# KiCad board Naked60.kicad_pcb
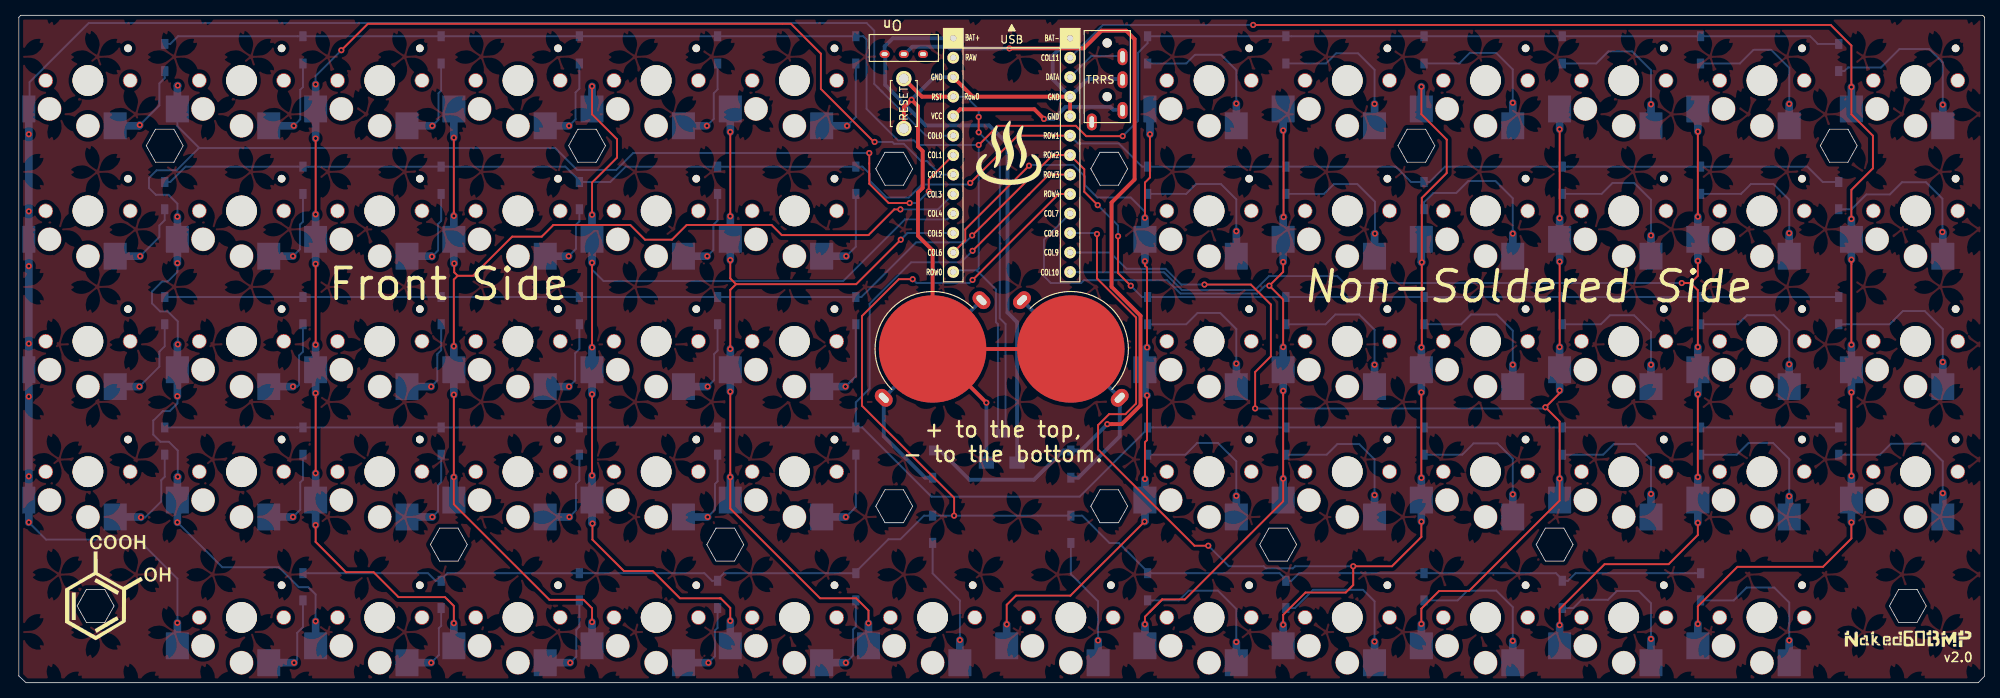
[diagram p0: board, top side]
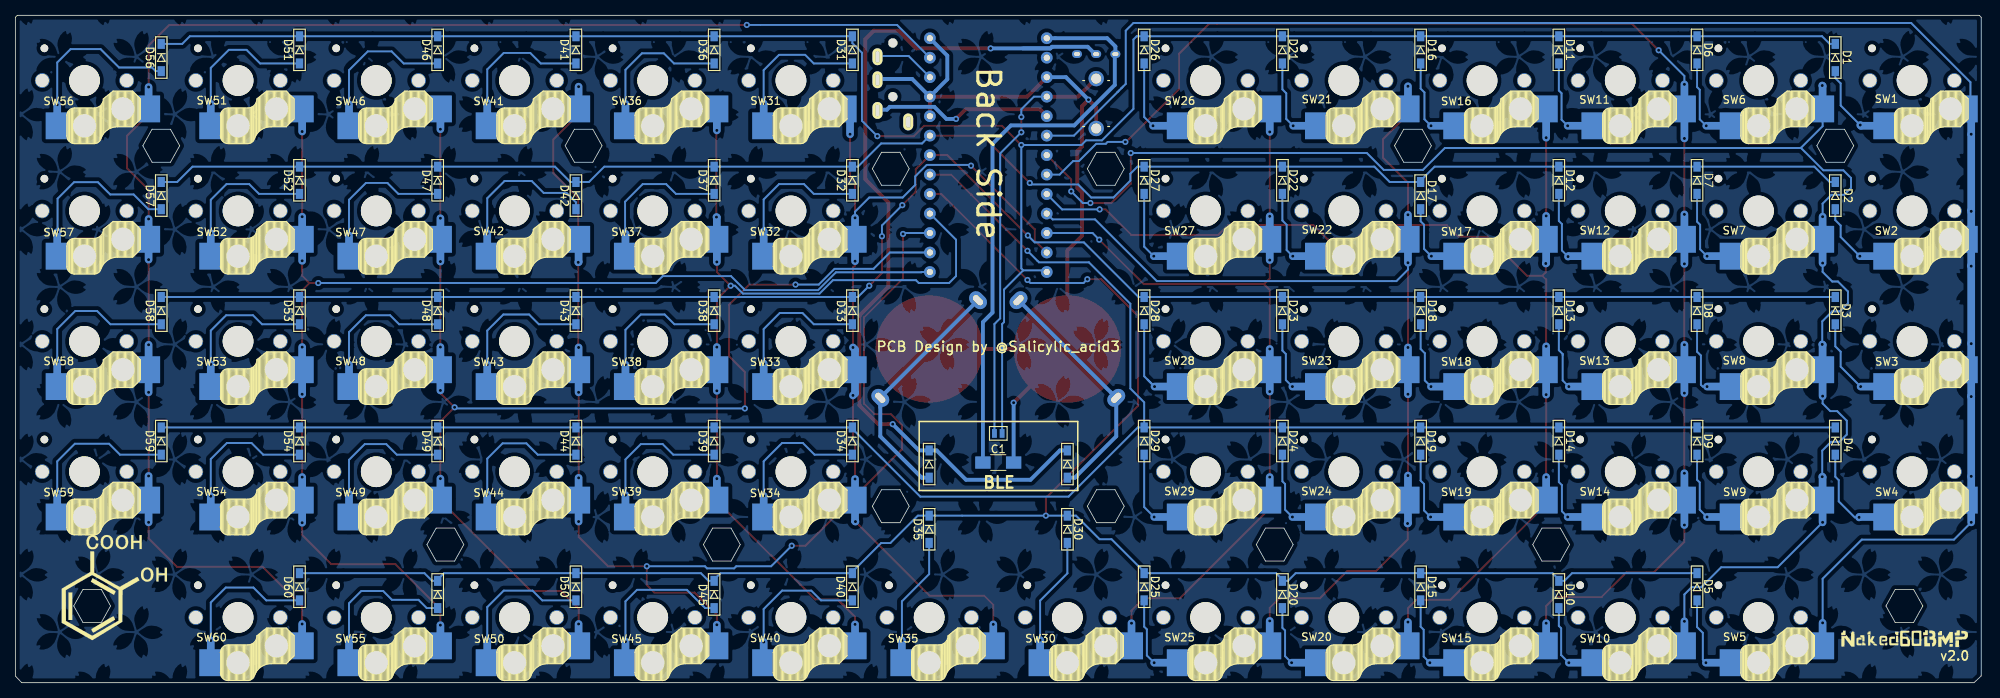
[diagram p1: board, bottom side, seen from below]

Outline 256 x 87 mm; copper layers: Top, Bottom. Coordinates in mm from the lower left corner of the outline.
Outline path: 0,86.75 0,0.88 0.93,0 255.18,0 256,0.88 256,86.75 255.75,87 0.25,87 0,86.75

## Placement (name value [footprint] x y rotation side)
BT1  Battery_Cell  [ali_CR1632]  119 43.5 225 top
BT2  Battery_Cell  [ali_CR1632]  137 43.5 135 top
C1  C_Small  [C_1206_HandSoldering_Back]  128 28.5 0 top
D1  D  [D3_SMD_L1]  19 81.5 270 top
D2  D  [D3_SMD_L1]  19 63.5 270 top
D3  D  [D3_SMD_L1]  19 48.5 270 top
D4  D  [D3_SMD_L1]  19 31.5 270 top
D5  D  [D3_SMD_L1]  37 12.5 270 top
D6  D  [D3_SMD_L1]  37 82.5 270 top
D7  D  [D3_SMD_L1]  37 65.5 270 top
D8  D  [D3_SMD_L1]  37 48.5 270 top
D9  D  [D3_SMD_L1]  37 31.5 270 top
D10  D  [D3_SMD_L1]  55 11.5 270 top
D11  D  [D3_SMD_L1]  55 82.5 270 top
D12  D  [D3_SMD_L1]  55 65.5 270 top
D13  D  [D3_SMD_L1]  55 48.5 270 top
D14  D  [D3_SMD_L1]  55 31.5 270 top
D15  D  [D3_SMD_L1]  73 12.5 270 top
D16  D  [D3_SMD_L1]  73 82.5 270 top
D17  D  [D3_SMD_L1]  73 63.5 270 top
D18  D  [D3_SMD_L1]  73 48.5 270 top
D19  D  [D3_SMD_L1]  73 31.5 270 top
D20  D  [D3_SMD_L1]  91 11.5 270 top
D21  D  [D3_SMD_L1]  91 82.5 270 top
D22  D  [D3_SMD_L1]  91 65.5 270 top
D23  D  [D3_SMD_L1]  91 48.5 270 top
D24  D  [D3_SMD_L1]  91 31.5 270 top
D25  D  [D3_SMD_L1]  109 12.5 270 top
D26  D  [D3_SMD_L1]  109 82.5 270 top
D27  D  [D3_SMD_L1]  109 65.5 270 top
D28  D  [D3_SMD_L1]  109 48.5 270 top
D29  D  [D3_SMD_L1]  109 31.5 270 top
D30  D  [D3_SMD_L1]  119 20 270 top
D31  D  [D3_SMD_L1]  147 82.5 270 top
D32  D  [D3_SMD_L1]  147 65.5 270 top
D33  D  [D3_SMD_L1]  147 48.5 270 top
D34  D  [D3_SMD_L1]  147 31.5 270 top
D35  D  [D3_SMD_L1]  137 20 270 top
D36  D  [D3_SMD_L1]  165 82.5 270 top
D37  D  [D3_SMD_L1]  165 65.5 270 top
D38  D  [D3_SMD_L1]  165 48.5 270 top
D39  D  [D3_SMD_L1]  165 31.5 270 top
D40  D  [D3_SMD_L1]  147 12.5 270 top
D41  D  [D3_SMD_L1]  183 82.5 270 top
D42  D  [D3_SMD_L1]  183 63.5 270 top
D43  D  [D3_SMD_L1]  183 48.5 270 top
D44  D  [D3_SMD_L1]  183 31.5 270 top
D45  D  [D3_SMD_L1]  165 11.5 270 top
D46  D  [D3_SMD_L1]  201 82.5 270 top
D47  D  [D3_SMD_L1]  201 65.5 270 top
D48  D  [D3_SMD_L1]  201 48.5 270 top
D49  D  [D3_SMD_L1]  201 31.5 270 top
D50  D  [D3_SMD_L1]  183 12.5 270 top
D51  D  [D3_SMD_L1]  219 82.5 270 top
D52  D  [D3_SMD_L1]  219 65.5 270 top
D53  D  [D3_SMD_L1]  219 48.5 270 top
D54  D  [D3_SMD_L1]  219 31.5 270 top
D55  D  [D3_SMD_L1]  201 11.5 270 top
D56  D  [D3_SMD_L1]  237 81.5 270 top
D57  D  [D3_SMD_L1]  237 63.5 270 top
D58  D  [D3_SMD_L1]  237 48.5 270 top
D59  D  [D3_SMD_L1]  237 31.5 270 top
D60  D  [D3_SMD_L1]  219 12.5 270 top
D61  D  [D3_SMD_L1]  119 28.5 270 top
D62  D  [D3_SMD_L1]  137 28.5 270 top
G***  LOGO  [60BMPs]  246 5.8 0 top
G***#2  LOGO  [salicylic-acid2s]  13.75 13.25 0 top
G***#3  LOGO  [onsen_smallS]  128.9 69.1 0 top
G***#4  LOGO  [salicylic-acid2s]  242.25 13.25 180 bottom
G***#5  LOGO  [60BMPs]  10 5.8 180 bottom
J1  MJ-4PP-9  [MJ-4PP-9_kai]  141.73 78.9 180 bottom
J2  Conn_01x01  [HOLE_m2_hex]  19 70 0 top
J3  Conn_01x01  [HOLE_m2_hex]  56 18 0 top
J4  Conn_01x01  [HOLE_m2_hex]  10 10 0 top
J5  Conn_01x01  [HOLE_m2_hex]  164 18 0 top
J6  Conn_01x01  [HOLE_m2_hex]  74 70 0 top
J7  Conn_01x01  [HOLE_m2_hex]  92 18 0 top
J8  Conn_01x01  [HOLE_m2_hex]  200 18 0 top
J9  Conn_01x01  [HOLE_m2_hex]  182 70 0 top
J10  Conn_01x01  [HOLE_m2_hex]  114 67 0 top
J11  Conn_01x01  [HOLE_m2_hex]  246 10 0 top
J12  Conn_01x01  [HOLE_m2_hex]  142 67 0 top
J13  Conn_01x01  [HOLE_m2_hex]  114 23 0 top
J14  Conn_01x01  [HOLE_m2_hex]  237 70 0 top
J15  Conn_01x01  [HOLE_m2_hex]  142 23 0 top
JP1  Jumper_NO_Small  [Jumper]  128 32.5 180 bottom
SW1  SW_PUSH  [Choc_Hotswap_1L_r2_jasjo]  9 78.5 0 top
SW2  SW_PUSH  [Choc_Hotswap_1L_r2_jasjo]  9 61.5 0 top
SW3  SW_PUSH  [Choc_Hotswap_1L_r2_jasjo]  9 44.5 0 top
SW4  SW_PUSH  [Choc_Hotswap_1L_r2_jasjo]  9 27.5 0 top
SW5  SW_PUSH  [Choc_Hotswap_1L_r2]  29 8.5 0 top
SW6  SW_PUSH  [Choc_Hotswap_1L_r2]  29 78.5 0 top
SW7  SW_PUSH  [Choc_Hotswap_1L_r2]  29 61.5 0 top
SW8  SW_PUSH  [Choc_Hotswap_1L_r2]  29 44.5 0 top
SW9  SW_PUSH  [Choc_Hotswap_1L_r2]  29 27.5 0 top
SW10  SW_PUSH  [Choc_Hotswap_1L_r2]  47 8.5 0 top
SW11  SW_PUSH  [Choc_Hotswap_1L_r2]  47 78.5 0 top
SW12  SW_PUSH  [Choc_Hotswap_1L_r2]  47 61.5 0 top
SW13  SW_PUSH  [Choc_Hotswap_1L_r2]  47 44.5 0 top
SW14  SW_PUSH  [Choc_Hotswap_1L_r2]  47 27.5 0 top
SW15  SW_PUSH  [Choc_Hotswap_1L_r2]  65 8.5 0 top
SW16  SW_PUSH  [Choc_Hotswap_1L_r2]  65 78.5 0 top
SW17  SW_PUSH  [Choc_Hotswap_1L_r2]  65 61.5 0 top
SW18  SW_PUSH  [Choc_Hotswap_1L_r2]  65 44.5 0 top
SW19  SW_PUSH  [Choc_Hotswap_1L_r2]  65 27.5 0 top
SW20  SW_PUSH  [Choc_Hotswap_1L_r2]  83 8.5 0 top
SW21  SW_PUSH  [Choc_Hotswap_1L_r2]  83 78.5 0 top
SW22  SW_PUSH  [Choc_Hotswap_1L_r2]  83 61.5 0 top
SW23  SW_PUSH  [Choc_Hotswap_1L_r2]  83 44.5 0 top
SW24  SW_PUSH  [Choc_Hotswap_1L_r2]  83 27.5 0 top
SW25  SW_PUSH  [Choc_Hotswap_1L_r2]  101 8.5 0 top
SW26  SW_PUSH  [Choc_Hotswap_1L_r2]  101 78.5 0 top
SW27  SW_PUSH  [Choc_Hotswap_1L_r2]  101 61.5 0 top
SW28  SW_PUSH  [Choc_Hotswap_1L_r2]  101 44.5 0 top
SW29  SW_PUSH  [Choc_Hotswap_1L_r2]  101 27.5 0 top
SW30  SW_PUSH  [Choc_Hotswap_1L_r2]  119 8.5 0 top
SW31  SW_PUSH  [Choc_Hotswap_1L_r2_jasjo]  155 78.5 0 top
SW32  SW_PUSH  [Choc_Hotswap_1L_r2]  155 61.5 0 top
SW33  SW_PUSH  [Choc_Hotswap_1L_r2]  155 44.5 0 top
SW34  SW_PUSH  [Choc_Hotswap_1L_r2]  155 27.5 0 top
SW35  SW_PUSH  [Choc_Hotswap_1L_r2]  137 8.5 0 top
SW36  SW_PUSH  [Choc_Hotswap_1L_r2]  173 78.5 0 top
SW37  SW_PUSH  [Choc_Hotswap_1L_r2]  173 61.5 0 top
SW38  SW_PUSH  [Choc_Hotswap_1L_r2]  173 44.5 0 top
SW39  SW_PUSH  [Choc_Hotswap_1L_r2]  173 27.5 0 top
SW40  SW_PUSH  [Choc_Hotswap_1L_r2]  155 8.5 0 top
SW41  SW_PUSH  [Choc_Hotswap_1L_r2]  191 78.5 0 top
SW42  SW_PUSH  [Choc_Hotswap_1L_r2]  191 61.5 0 top
SW43  SW_PUSH  [Choc_Hotswap_1L_r2]  191 44.5 0 top
SW44  SW_PUSH  [Choc_Hotswap_1L_r2]  191 27.5 0 top
SW45  SW_PUSH  [Choc_Hotswap_1L_r2]  173 8.5 0 top
SW46  SW_PUSH  [Choc_Hotswap_1L_r2]  209 78.5 0 top
SW47  SW_PUSH  [Choc_Hotswap_1L_r2]  209 61.5 0 top
SW48  SW_PUSH  [Choc_Hotswap_1L_r2]  209 44.5 0 top
SW49  SW_PUSH  [Choc_Hotswap_1L_r2]  209 27.5 0 top
SW50  SW_PUSH  [Choc_Hotswap_1L_r2]  191 8.5 0 top
SW51  SW_PUSH  [Choc_Hotswap_1L_r2]  227 78.5 0 top
SW52  SW_PUSH  [Choc_Hotswap_1L_r2]  227 61.5 0 top
SW53  SW_PUSH  [Choc_Hotswap_1L_r2]  227 44.5 0 top
SW54  SW_PUSH  [Choc_Hotswap_1L_r2]  227 27.5 0 top
SW55  SW_PUSH  [Choc_Hotswap_1L_r2]  209 8.5 0 top
SW56  SW_PUSH  [Choc_Hotswap_1L_r2]  247 78.5 0 top
SW57  SW_PUSH  [Choc_Hotswap_1L_r2]  247 61.5 0 top
SW58  SW_PUSH  [Choc_Hotswap_1L_r2]  247 44.5 0 top
SW59  SW_PUSH  [Choc_Hotswap_1L_r2]  247 27.5 0 top
SW60  SW_PUSH  [Choc_Hotswap_1L_r2]  227 8.5 0 top
SW61  SW_PUSH  [ResetSW_FL]  115.25 75.5 90 top
SW62  SW_Push_SPDT  [MSK-12D19]  115.25 83 0 top
U1  BLEMicroPro  [BLE_Micro_Pro_L1]  129.25 67 0 top

## Library data of the parts
SW62 = -: Field4: MSK-12D19
U1 = -: Field4: a; Field5: a

## Footprints (pads in the part's own frame, mm; a bottom-side part is the same pattern mirrored in y, then rotated)
ali_CR1632
  oval 1.8x2.55 hole 0.8x1.55: 1(-9,0) 1(9,0)
  round 14 smd: 2(0,0)
BLE_Micro_Pro_L1
  round 1.524 hole 0.813: 1(7.656,14.478) 2(7.656,11.938) 3(7.656,9.398) 4(7.656,6.858) 5(7.656,4.318) 6(7.656,1.778) 7(7.656,-0.762) 8(7.656,-3.302) 9(7.656,-5.842) 10(7.656,-8.382) 11(7.656,-10.922) 12(7.656,-13.462) 13(-7.564,-13.462) 14(-7.564,-10.922) 15(-7.564,-8.382) 16(-7.564,-5.842) 17(-7.564,-3.302) 18(-7.564,-0.762) 19(-7.564,1.778) 20(-7.564,4.318) 21(-7.564,6.858) 22(-7.564,9.398) 23(-7.564,11.938) 24(-7.564,14.478) 25(-7.564,17.018) 26(7.656,17.018)
C_1206_HandSoldering_Back
  rect 2x1.6 smd far side: 1(2,0.193) 2(-2,0.193)
Choc_Hotswap_1L_r2
  round 1.9 hole 1.7 unplated: (-5.5,0) (5.5,0)
  round 3.1 hole 3 unplated: (-5,-3.7) (0,-5.9)
  round 4 hole 4 unplated: (0,0)
  round 1 hole 1 unplated: (5.22,4.2)
  rect 3x3.5 smd far side: 1(-8.35,-3.7) 2(3.55,-5.9)
Choc_Hotswap_1L_r2_jasjo
  round 1.9 hole 1.7 unplated: (-5.5,0) (5.5,0)
  round 3.1 hole 3 unplated: (-5,-3.7) (0,-5.9)
  round 4 hole 4 unplated: (0,0)
  round 1 hole 1 unplated: (5.22,4.2)
  rect 1.7x3.5 smd far side: 1(-7.7,-3.7)
  rect 3x3.5 smd far side: 2(3.55,-5.9)
D3_SMD_L1
  rect 1.3x0.95 smd far side: 1(-1.775,0) 2(1.775,0)
Jumper
  rect 0.635x1.143 smd: 1(-0.5,0) 2(0.5,0)
MJ-4PP-9_kai
  round 1.21 hole 1.2 unplated: (0,-2.5) (0,4.5)
  oval 1.3x2.2 hole 0.6x1.5: A(2,-5.8) B(-2,2.7) C(-2,-0.3) D(-2,-4.3)
MSK-12D19
  oval 1.3x1 hole 0.8x0.5: 1(-2.5,-1.05) 2(0,-1.05) 3(2.5,-1.05)
ResetSW_FL
  round 2 hole 1.3: 1(3.25,0) 2(-3.25,0)

## Nets
GND: BT1.2 BT2.2 C1.2 J1.C SW61.2 U1.3 U1.4 U1.23 U1.26
VCC: J1.D U1.21
Bat+: C1.1 SW62.1 U1.25
Col0: SW1.1 SW2.1 SW3.1 SW4.1 SW5.1 U1.20
Col1: SW6.1 SW7.1 SW8.1 SW9.1 SW10.1 U1.19
Col2: SW11.1 SW12.1 SW13.1 SW14.1 SW15.1 U1.18
Col3: SW16.1 SW17.1 SW18.1 SW19.1 SW20.1 U1.17
Col4: SW21.1 SW22.1 SW23.1 SW24.1 SW25.1 U1.16
Col5: SW26.1 SW27.1 SW28.1 SW29.1 SW30.1 U1.15
Col6: SW31.1 SW32.1 SW33.1 SW34.1 SW35.1 U1.14
Col7: SW36.1 SW37.1 SW38.1 SW39.1 SW40.1 U1.9
Col8: SW41.1 SW42.1 SW43.1 SW44.1 SW45.1 U1.10
Col9: SW46.1 SW47.1 SW48.1 SW49.1 SW50.1 U1.11
Col10: SW51.1 SW52.1 SW53.1 SW54.1 SW55.1 U1.12
Col11: SW56.1 SW57.1 SW58.1 SW59.1 SW60.1 U1.1
Data: J1.B U1.2
Reset: JP1.1 SW61.1 U1.22
Row0: D1.1 D6.1 D11.1 D16.1 D21.1 D26.1 D31.1 D36.1 D41.1 D46.1 D51.1 D56.1 JP1.2 U1.13
Row1: D2.1 D7.1 D12.1 D17.1 D22.1 D27.1 D32.1 D37.1 D42.1 D47.1 D52.1 D57.1 U1.5
Row2: D3.1 D8.1 D13.1 D18.1 D23.1 D28.1 D33.1 D38.1 D43.1 D48.1 D53.1 D58.1 U1.6
Row3: D4.1 D9.1 D14.1 D19.1 D24.1 D29.1 D34.1 D39.1 D44.1 D49.1 D54.1 D59.1 U1.7
Row4: D5.1 D10.1 D15.1 D20.1 D25.1 D30.1 D35.1 D40.1 D45.1 D50.1 D55.1 D60.1 U1.8
Net-(BT1-Pad1): BT1.1 D61.2
Net-(BT2-Pad1): BT2.1 D62.2
Net-(D1-Pad2): D1.2 SW1.2
Net-(D2-Pad2): D2.2 SW2.2
Net-(D3-Pad2): D3.2 SW3.2
Net-(D4-Pad2): D4.2 SW4.2
Net-(D5-Pad2): D5.2 SW5.2
Net-(D6-Pad2): D6.2 SW6.2
Net-(D7-Pad2): D7.2 SW7.2
Net-(D8-Pad2): D8.2 SW8.2
Net-(D9-Pad2): D9.2 SW9.2
Net-(D10-Pad2): D10.2 SW10.2
Net-(D11-Pad2): D11.2 SW11.2
Net-(D12-Pad2): D12.2 SW12.2
Net-(D13-Pad2): D13.2 SW13.2
Net-(D14-Pad2): D14.2 SW14.2
Net-(D15-Pad2): D15.2 SW15.2
Net-(D16-Pad2): D16.2 SW16.2
Net-(D17-Pad2): D17.2 SW17.2
Net-(D18-Pad2): D18.2 SW18.2
Net-(D19-Pad2): D19.2 SW19.2
Net-(D20-Pad2): D20.2 SW20.2
Net-(D21-Pad2): D21.2 SW21.2
Net-(D22-Pad2): D22.2 SW22.2
Net-(D23-Pad2): D23.2 SW23.2
Net-(D24-Pad2): D24.2 SW24.2
Net-(D25-Pad2): D25.2 SW25.2
Net-(D26-Pad2): D26.2 SW26.2
Net-(D27-Pad2): D27.2 SW27.2
Net-(D28-Pad2): D28.2 SW28.2
Net-(D29-Pad2): D29.2 SW29.2
Net-(D30-Pad2): D30.2 SW30.2
Net-(D31-Pad2): D31.2 SW31.2
Net-(D32-Pad2): D32.2 SW32.2
Net-(D33-Pad2): D33.2 SW33.2
Net-(D34-Pad2): D34.2 SW34.2
Net-(D35-Pad2): D35.2 SW35.2
Net-(D36-Pad2): D36.2 SW36.2
Net-(D37-Pad2): D37.2 SW37.2
Net-(D38-Pad2): D38.2 SW38.2
Net-(D39-Pad2): D39.2 SW39.2
Net-(D40-Pad2): D40.2 SW40.2
Net-(D41-Pad2): D41.2 SW41.2
Net-(D42-Pad2): D42.2 SW42.2
Net-(D43-Pad2): D43.2 SW43.2
Net-(D44-Pad2): D44.2 SW44.2
Net-(D45-Pad2): D45.2 SW45.2
Net-(D46-Pad2): D46.2 SW46.2
Net-(D47-Pad2): D47.2 SW47.2
Net-(D48-Pad2): D48.2 SW48.2
Net-(D49-Pad2): D49.2 SW49.2
Net-(D50-Pad2): D50.2 SW50.2
Net-(D51-Pad2): D51.2 SW51.2
Net-(D52-Pad2): D52.2 SW52.2
Net-(D53-Pad2): D53.2 SW53.2
Net-(D54-Pad2): D54.2 SW54.2
Net-(D55-Pad2): D55.2 SW55.2
Net-(D56-Pad2): D56.2 SW56.2
Net-(D57-Pad2): D57.2 SW57.2
Net-(D58-Pad2): D58.2 SW58.2
Net-(D59-Pad2): D59.2 SW59.2
Net-(D60-Pad2): D60.2 SW60.2
Net-(D61-Pad1): D61.1 D62.1 SW62.2
Net-(J1-PadA): J1.A
Net-(SW62-Pad3): SW62.3
Net-(U1-Pad24): U1.24

## Via types
v1: diameter 0.8, hole 0.4, Top to Bottom, 187 vias

## Routing (per net, layer and track width the routed paths; a pad name or vN(x,y) marks a point on that pad's centre or on a via; arc(x,y) is an arc through that point)
GND: length 116.9
  Top w0.5: BT1.2 119,56.35 117.1,58.25 117.1,63.9 117.7,64.5 117.7,69.3 117.1,69.9 117.1,75.15 v1(116.25,76) 115.25,75 SW61.2 ; BT1.2 v1(126,36.5) ; BT1.2 BT2.2 ; U1.23 124.23,76.4 U1.3 U1.4
  Bottom w0.5: v1(126,36.5) C1.2 ; U1.26 134.64,81.75 134.64,78.67 U1.3 139.21,78.7 143.85,78.7 ; v1(116.25,76) 119.19,78.94 U1.23
VCC: length 23.9
  Top w0.5: U1.21 122.58,74.75 132.25,74.75 v1(133.5,73.5)
  Bottom w0.5: v1(133.5,73.5) 133.5,73.5 134.75,73.5 136.32,75.07 142.13,75.07 142.5,74.7 143.85,74.7
Bat+: length 75.6
  Bottom w0.5: C1.1 130,47 128.75,48.25 128.75,70.25 126.35,72.65 118.1,72.65 112.83,77.92 112.83,81.95 ; SW62.1 112.75,82.95 113.82,84.02 U1.25
Col0: length 274
  Bottom w0.25: 111.75,77.71 111.96,77.5 ; 111.96,77.5 111.4,78.06 111.4,85 110.4,86 9.11,86 1.4,78.29 1.4,74.8 v1(1.3,61.45) 1.4,57.8 v1(1.3,54.3) 1.38,44.33 1.4,42.3 1.4,40.8 v1(1.3,37.3) 1.4,23.8 ; 111.96,77.5 112.46,77 ; 112.46,77 118.14,71.32 U1.20 ; 112.46,77 112.25,77.21 ; v1(1.3,20.9) 3.55,18.65 15.55,18.65 20.65,13.55 v1(20.65,7.8)
  Bottom w1: 1.3,61.55 v1(1.3,71.5) SW1.1 ; 1.3,61.55 SW2.1 1.3,54.35 ; 1.3,61.55 v1(1.3,61.45) ; 1.3,54.35 v1(1.3,44.2) SW3.1 1.3,37.35 ; 1.3,54.35 v1(1.3,54.3) ; v1(1.3,20.9) SW4.1 v1(1.3,26.9) 1.3,37.35 ; 1.3,37.35 v1(1.3,37.3) ; SW5.1 v1(20.65,7.8)
Col1: length 210
  Top w0.25: U1.19 118.5,65.59 v1(118.5,64.05) ; v1(110.75,69.05) 110.75,65.05 113.27,62.53 v1(116,62.53)
  Bottom w0.25: v1(20.65,60.75) 20.65,62.45 19.5,63.6 17.85,63.6 16.95,64.5 16.95,65.8 17.95,66.8 20.55,66.8 23.45,69.7 ; v1(116,62.53) 116.98,62.53 v1(118.5,64.05) ; v1(20.65,54.7) 20.65,53.55 19.4,52.3 18.65,52.3 17.35,51 17.35,49.45 18.4,48.4 19.4,48.4 20.7,47.1 v1(20.7,44.1) ; 23.45,69.7 23.45,69.75 20.65,72.55 SW6.1 ; 23.45,69.7 69.85,69.7 72.7,66.85 77.8,66.85 80,69.05 v1(110.75,69.05) ; v1(20.65,37.35) 20.65,36.4 19.65,35.4 18.75,35.4 17.5,34.15 17.5,32.35 18.45,31.4 19.55,31.4 20.7,30.25 v1(20.7,26.85) ; v1(20.65,20.9) 26.5,15.05 33.85,15.05 36.45,12.45 37.7,12.45 38.65,11.5 v1(38.65,8) ; 39.3,4.8 39.4,4.8
  Bottom w1: v1(20.65,60.75) SW7.1 v1(20.65,54.7) ; SW10.1 v1(38.65,8) ; v1(20.65,20.9) SW9.1 20.65,26.8 v1(20.7,26.85) ; v1(20.7,44.1) 20.65,44.05 SW8.1 v1(20.65,37.35) ; SW6.1 20.65,77.8 v1(20.7,77.85)
Col2: length 184.1
  Top w0.25: v1(38.65,27.3) v1(38.65,37.75) ; v1(42,82.45) 45.45,85.9 100.55,85.9 104.45,82 104.45,77.4 111.35,70.5 v1(111.45,70.5) ; v1(38.65,20.55) 38.65,18.35 42.6,14.4 46.2,14.4 49.45,11.15 55.5,11.15 56.65,10 v1(56.65,7.75) ; v1(38.65,70.95) v1(38.65,61.05) ; v1(38.65,54.6) v1(38.65,44.05)
  Bottom w0.25: v1(111.45,70.5) 113.75,70.5 114,70.25 115.25,70.25 117.5,68 118.25,68 120.01,66.24 U1.18 ; v1(42,82.45) 38.65,79.1 v1(38.65,78)
  Bottom w1: v1(38.65,70.95) SW11.1 v1(38.65,78) ; v1(38.65,54.6) SW12.1 v1(38.65,61.05) ; v1(38.65,27.3) SW14.1 v1(38.65,20.55) ; SW15.1 v1(56.65,7.75) ; v1(38.65,44.05) SW13.1 v1(38.65,37.75)
Col3: length 155.6
  Top w0.25: v1(56.65,60.85) v1(56.65,71.05) ; v1(56.65,37.55) v1(56.65,26.8) 56.65,23.25 69.1,10.8 73.55,10.8 74.65,9.7 v1(74.65,7.9) ; v1(114.8,61.7) 114,61.7 110.65,58.35 99.35,58.35 98.02,59.68 86.98,59.68 85.05,57.75 81.55,57.75 79.62,59.68 69.63,59.68 68.1,58.15 64.25,58.15 59.15,53.05 57.15,53.05 ; 57.15,53.05 56.7,53.5 v1(56.7,54.65) ; 57.15,53.05 56.65,52.55 v1(56.65,43.85)
  Bottom w0.25: 74.9,4.8 75.4,4.8 ; U1.17 119.69,61.7 v1(114.8,61.7)
  Bottom w1: SW19.1 v1(56.65,26.8) ; v1(56.7,54.65) 56.65,54.7 SW17.1 v1(56.65,60.85) ; v1(56.65,43.85) SW18.1 v1(56.65,37.55) ; SW16.1 v1(56.65,71.05) ; SW20.1 v1(74.65,7.9)
Col4: length 144.6
  Top w0.25: v1(92.65,8.05) 92.65,9.75 91.4,11 86.1,11 82.55,14.55 78.8,14.55 74.7,18.65 v1(74.7,20.75) ; v1(74.65,77.75) 74.65,74.1 77.9,70.85 77.9,68.45 74.65,65.2 v1(74.65,61) ; v1(74.65,54.75) v1(74.65,43.7) ; v1(74.65,37.6) v1(74.65,27)
  Bottom w0.25: U1.16 120.92,60.4 115.4,60.4 107.35,52.35 76.15,52.35 74.65,53.85 v1(74.65,54.75) ; 93.4,4.8 92.4,4.8
  Bottom w1: v1(74.65,37.6) SW23.1 v1(74.65,43.7) ; v1(74.7,20.75) 74.65,20.8 SW24.1 v1(74.65,27) ; SW25.1 v1(92.65,8.05) ; v1(74.65,61) SW22.1 v1(74.65,54.75) ; SW21.1 v1(74.65,77.75)
Col5: length 116.4
  Top w0.25: v1(110.65,7.75) 110.65,9.4 109.05,11 104.35,11 92.65,22.7 v1(92.65,26.8) v1(92.65,37.95) ; 93.4,51.95 92.65,52.7 v1(92.65,55.1) ; 93.4,51.95 109.05,51.95 v1(114.85,57.75) ; 93.4,51.95 92.65,51.2 v1(92.65,43.5) ; v1(92.65,71.8) v1(92.65,60.8)
  Bottom w0.25: 93.4,23.8 93.4,23.3 ; v1(114.85,57.75) 115.72,58.62 U1.15 ; 111.4,4.8 110.4,4.8
  Bottom w1: v1(92.65,60.8) SW27.1 v1(92.65,55.1) ; v1(92.65,43.5) SW28.1 v1(92.65,37.95) ; SW29.1 v1(92.65,26.8) ; SW30.1 v1(110.65,7.75) ; SW26.1 v1(92.65,71.8)
Col6: length 119.5
  Top w0.25: v1(147.3,71.5) 147.3,65.85 146.65,65.2 v1(146.65,60.6) ; v1(146.65,54.95) 146.65,54.38 146.93,54.11 v1(146.93,43.7) ; v1(131.55,67.4) 123.25,59.1 123.25,57.64 U1.14 ; v1(146.6,21) 136.95,11.35 129.85,11.35 128.65,10.15 v1(128.65,7.6) ; v1(146.93,37.45) 146.93,31.63 146.65,31.35 v1(146.65,26.55)
  Bottom w0.25: 147.25,57.95 147.4,57.8 ; 147.4,57.8 147.4,57.3 ; 147.4,57.8 147.4,56.75 ; 147.4,57.8 147.4,58.3 ; v1(131.55,67.4) 131.7,67.55 131.75,67.5 137.32,67.5 138.82,66 138.82,64.88 140.45,63.25 144.8,63.25 146.65,61.4 v1(146.65,60.6) ; 129.2,5 129.4,4.8
  Bottom w1: v1(146.93,43.7) 146.65,43.42 SW33.1 146.65,37.73 v1(146.93,37.45) ; v1(146.65,60.6) SW32.1 v1(146.65,54.95) ; v1(146.65,26.55) SW34.1 146.65,21.05 v1(146.6,21) ; SW35.1 v1(128.65,7.6) ; SW31.1 v1(147.3,71.5)
Col7: length 128.7
  Top w0.25: 148.9,10.85 151.85,10.85 164.65,23.65 v1(164.65,26.6) v1(164.65,38.05) ; 148.9,10.85 146.65,8.6 v1(146.65,7.6) ; 148.9,10.85 147.25,9.2 ; v1(164.65,54.85) 164.65,53.55 v1(162.85,51.75) 164.65,49.95 v1(164.65,43.75) ; v1(164.65,72) 164.7,71.95 v1(164.7,60.7)
  Bottom w0.25: 165.35,23.85 165.4,23.8 164.4,23.8 ; v1(162.85,51.75) 162.28,51.75 161.26,50.73 151.27,50.73 149.52,52.48 138.73,52.48 138.35,52.1 134.4,52.1 133.5,53 133.5,57.75 U1.9 ; 165.4,57.8 164.4,57.8 ; 147.25,4.95 147.4,4.8
  Bottom w1: SW40.1 v1(146.65,7.6) ; v1(164.7,60.7) 164.65,60.65 SW37.1 v1(164.65,54.85) ; SW36.1 v1(164.65,72) ; SW39.1 v1(164.65,26.6) ; v1(164.65,38.05) SW38.1 v1(164.65,43.75)
Col8: length 174.1
  Top w0.25: v1(154.9,17.85) 153.1,17.85 140.55,30.4 140.55,33.57 141.98,35 144.1,35 145.5,36.4 145.5,47.6 140.4,52.7 v1(140.4,58.5) ; v1(182.65,43.7) 182.7,43.75 v1(182.7,54.8) 182.7,63.2 185.95,66.45 185.95,70.8 182.65,74.1 v1(182.65,77.7) ; v1(182.65,26.7) v1(182.65,37.85) ; v1(164.65,7.55) 164.65,8.85 167.55,11.75 172.8,11.75 173.77,12.72 v1(173.77,15.17) 178.82,15.17 182.65,19 v1(182.65,21)
  Bottom w0.25: 183.4,23.8 182.4,23.8 ; U1.10 140.28,58.62 v1(140.4,58.5) ; 183.4,74.8 182.15,74.8 ; v1(154.9,17.85) 157.58,15.17 162.13,15.17 162.4,14.9 165.93,14.9 166.2,15.17 v1(173.77,15.17)
  Bottom w1: v1(182.7,54.8) 182.65,54.85 SW42.1 ; v1(182.65,43.7) SW43.1 v1(182.65,37.85) ; SW45.1 v1(164.65,7.55) ; v1(182.65,26.7) SW44.1 v1(182.65,21) ; SW41.1 v1(182.65,77.7)
Col9: length 166.7
  Top w0.25: v1(200.65,43.75) v1(200.65,54.9) ; v1(154.4,51.9) 160.45,51.9 163.05,49.3 163.05,42.55 161,40.5 v1(161,35.75) ; v1(200.65,60.55) v1(200.65,72.15) ; v1(182.65,7.65) 182.65,9.65 184.95,11.95 188.85,11.95 200.65,23.75 v1(200.65,26.6) 200.65,34.05 v1(198.8,35.9) 200.65,37.75 v1(200.65,38.1)
  Bottom w0.25: v1(161,35.75) 198.65,35.75 v1(198.8,35.9) ; v1(154.4,51.9) 151.37,51.9 149.32,53.95 144.25,53.95 142.12,56.08 U1.11 ; 201.35,40.85 201.4,40.8 ; 201.35,57.75 201.4,57.8 ; 201.4,23.8 200.15,23.8
  Bottom w1: v1(200.65,43.75) SW48.1 v1(200.65,38.1) ; v1(200.65,60.55) SW47.1 v1(200.65,54.9) ; SW50.1 v1(182.65,7.65) ; SW49.1 v1(200.65,26.6) ; SW46.1 v1(200.65,72.15)
Col10: length 167.6
  Top w0.25: v1(218.65,55) 218.65,53.05 217.7,52.1 ; v1(218.65,71.85) v1(218.65,60.75) ; v1(218.65,20.85) 218.65,19.25 214.85,15.45 206.5,15.45 200.65,9.6 v1(200.65,7.5) ; v1(218.65,26.8) v1(218.65,37.6) ; 217.7,52.1 v1(216.55,52.1) ; 217.7,52.1 218.65,51.15 v1(218.65,43.75)
  Bottom w0.25: U1.12 137.98,53.54 138.02,53.5 149.14,53.5 151.46,51.18 161.07,51.18 161.1,51.2 161.1,51.3 162.8,53 171.7,53 172.6,52.1 v1(216.55,52.1) ; 219.4,23.8 218.45,23.8 ; 219.35,57.85 219.4,57.8 ; 219.4,74.8 219.4,74.3
  Bottom w1: v1(218.65,55) SW52.1 v1(218.65,60.75) ; v1(218.65,20.85) SW54.1 v1(218.65,26.8) ; v1(218.65,43.75) SW53.1 v1(218.65,37.6) ; SW51.1 v1(218.65,71.85) ; SW55.1 v1(200.65,7.5)
Col11: length 202.9
  Top w0.25: v1(160.75,85.75) 235.95,85.75 238.65,83.05 v1(238.65,77.65) 238.65,74.1 241.45,71.3 241.45,67.05 238.65,64.25 v1(238.65,60.45) ; v1(238.65,37.85) v1(238.65,26.95) ; v1(238.65,20.9) 238.65,18.8 234.95,15.1 223.8,15.1 218.65,9.95 v1(218.65,7.65) ; v1(238.65,44.05) v1(238.65,55.15)
  Bottom w0.25: U1.1 141.18,85.75 v1(160.75,85.75)
  Bottom w1: v1(238.65,60.45) SW57.1 v1(238.65,55.15) ; v1(238.65,44.05) SW58.1 v1(238.65,37.85) ; v1(238.65,26.95) SW59.1 v1(238.65,20.9) ; SW60.1 v1(218.65,7.65) ; SW56.1 v1(238.65,77.65)
Data: length 8.1
  Bottom w0.25: 143.85,81.7 139.67,81.7 U1.2
Reset: length 55.1
  Top w0.25: v1(125,71.75) v1(125,73.75)
  Top w0.5: SW61.1 117.6,76.4 U1.22
  Bottom w0.25: U1.22 123.35,76.4 125,74.75 v1(125,73.75) ; v1(125,71.75) 127.75,69 127.75,47.5 128.5,46.75 JP1.1
Row0: length 284.4
  Top w0.25: v1(143.75,71.25) 139,71.25 137.65,72.6 127.5,72.6 v1(125,70.1)
  Bottom w0.25: v1(143.75,71.25) 145.75,73.25 145.75,82.12 147,83.38 D31.1 D36.1 D41.1 D46.1 D51.1 233.27,84.28 234.27,83.28 D56.1 ; 122,53.86 122.11,53.75 124.75,53.75 ; JP1.2 127.5,33.32 127.5,46.75 127.25,47 127.25,51.25 124.75,53.75 ; 124.75,53.75 125,54 v1(125,70.1) 117.16,70.1 116.56,70.7 114.5,70.7 110.4,74.8 110.4,83.85 109.97,84.28 D26.1 D21.1 D16.1 D11.1 D6.1 20.73,84.28 19.73,83.28 D1.1 ; 121.67,53.55 U1.13
Row1: length 230.3
  Top w0.25: U1.5 130.07,71.32 v1(123.9,65.15)
  Bottom w0.25: v1(123.9,65.15) 123.85,65.15 123.65,64.95 117.6,64.95 115.9,63.25 113,63.25 110.8,65.45 110.8,66.35 109.88,67.28 D27.1 D22.1 79.03,67.28 77.03,65.28 D17.1 73,65.45 71.17,67.28 D12.1 D7.1 21.73,67.28 19.73,65.28 D2.1 ; U1.5 137.92,70.3 143.25,70.3 146.28,67.28 D32.1 D37.1 179.3,67.28 181.3,65.28 D42.1 183.72,65.28 185.72,67.28 D47.1 D52.1 232.93,67.28 234.93,65.28 D57.1
Row2: length 238.7
  Top w0.25: v1(143.15,58.2) 143.15,53.4 v1(144.8,51.75) ; v1(140.5,62.25) 138.75,64 138.75,66.93 U1.6 134.63,68.78 v1(124.15,58.3)
  Bottom w0.25: v1(140.5,62.25) 143.15,59.6 v1(143.15,58.2) ; v1(124.15,58.3) 123.25,57.4 116.85,57.4 109.72,50.28 D28.1 D23.1 D18.1 D13.1 D8.1 D3.1 ; v1(144.8,51.75) 146.28,50.28 D33.1 D38.1 D43.1 D48.1 D53.1 D58.1
Row3: length 275.7
  Top w0.25: v1(124.2,56.3) 131.5,63.6 ; 131.5,63.6 131.6,63.7 ; 131.5,63.6 134.14,66.24 U1.7
  Bottom w0.25: D4.1 D9.1 D14.1 D19.1 D24.1 D29.1 ; D29.1 109.82,33.28 118.85,24.25 138.15,24.25 147,33.1 D34.1 D39.1 D44.1 D49.1 D54.1 D59.1 ; D29.1 109,36.55 110.8,38.35 110.8,49.4 116.2,54.8 122.7,54.8 v1(124.2,56.3)
Row4: length 257.4
  Top w0.25: v1(124.2,52.5) 135.4,63.7 U1.8 ; v1(121.8,21.78) 121.8,24.1 109.8,36.1 109.8,47.8 114.6,52.6 v1(116.4,52.6)
  Bottom w0.25: v1(116.4,52.6) 116.9,52.1 123.8,52.1 v1(124.2,52.5) ; D60.1 202.72,14.28 201.72,13.28 D55.1 ; D5.1 53.28,14.28 54.28,13.28 D10.1 55,13.45 55.83,14.28 D15.1 89.28,14.28 90.28,13.28 D20.1 91,13.45 91.83,14.28 D25.1 109,14.45 113.25,18.7 114.8,18.7 117.88,21.78 D30.1 v1(121.8,21.78) D35.1 138.47,21.78 142.05,18.2 143.25,18.2 147,14.45 D40.1 164.18,14.28 165,13.45 D45.1 165.72,13.28 166.72,14.28 D50.1 200.18,14.28 201.1,13.35 201.3,13.35
Net-(BT1-Pad1): length 31.6
  Bottom w0.5: D61.2 118.03,26.72 112.64,32.11 BT1.1 BT1.1
Net-(BT2-Pad1): length 31.6
  Bottom w0.5: BT2.1 BT2.1 143.36,32.11 137.97,26.72 D62.2
Net-(D1-Pad2): length 12.6
  Bottom w0.25: D1.2 19,78.83 18.3,78.12 18.3,75.25 v1(15.75,72.7) ; 12.8,72.6 11.8,72.6
  Bottom w1: v1(15.75,72.7) 15.65,72.6 SW1.2
Net-(D2-Pad2): length 11.7
  Bottom w0.25: 12.8,55.6 11.8,55.6 ; v1(15.8,55.6) 18.3,58.1 18.3,59.6 19,60.3 D2.2
  Bottom w1: SW2.2 v1(15.8,55.6)
Net-(D3-Pad2): length 13.6
  Bottom w0.25: v1(15.7,38.6) 18.3,41.2 18.3,43.15 19,43.85 D3.2 ; 12.8,38.6 11.8,38.6
  Bottom w1: SW3.2 v1(15.7,38.6)
Net-(D4-Pad2): length 14.2
  Bottom w0.25: 12.8,21.6 11.8,21.6 ; v1(15.9,21.55) 16.47,21.55 18.55,23.63 18.55,26.4 19,26.85 D4.2
  Bottom w1: v1(15.9,21.55) 15.85,21.6 SW4.2
Net-(D5-Pad2): length 12.9
  Bottom w0.25: 32.8,2.6 31.8,2.6 ; v1(35.85,2.6) 36.25,3 36.25,6.5 37,7.25 D5.2
  Bottom w1: SW5.2 v1(35.85,2.6)
Net-(D6-Pad2): length 12.9
  Bottom w0.25: v1(35.8,72.6) 36.65,73.45 36.65,77.3 37,77.65 D6.2 ; 32.8,72.6 31.8,72.6
  Bottom w1: SW6.2 v1(35.8,72.6)
Net-(D7-Pad2): length 12.8
  Bottom w0.25: v1(35.7,55.6) 36.6,56.5 36.6,59.7 37,60.1 D7.2 ; 32.8,55.6 31.8,55.6
  Bottom w1: SW7.2 v1(35.7,55.6)
Net-(D8-Pad2): length 13.1
  Bottom w0.25: D8.2 37,43.15 36.5,42.65 36.5,38.83 36.27,38.6 v1(35.7,38.6) ; 32.8,38.6 31.8,38.6
  Bottom w1: SW8.2 v1(35.7,38.6)
Net-(D9-Pad2): length 12.8
  Bottom w0.25: v1(35.7,21.6) 36.65,22.55 36.65,26.1 37,26.45 D9.2 ; 32.8,21.6 31.8,21.6
  Bottom w1: SW9.2 v1(35.7,21.6)
Net-(D10-Pad2): length 11.8
  Bottom w0.25: D10.2 55,7.4 54.7,7.1 54.7,3.6 v1(53.7,2.6) ; 50.8,2.6 49.8,2.6
  Bottom w1: SW10.2 v1(53.7,2.6)
Net-(D11-Pad2): length 12.9
  Bottom w0.25: v1(53.85,72.6) 54.65,73.4 54.65,76.85 55,77.2 D11.2 ; 50.8,72.6 49.8,72.6
  Bottom w1: SW11.2 v1(53.85,72.6)
Net-(D12-Pad2): length 12.9
  Bottom w0.25: v1(53.8,55.55) 54.6,56.35 54.6,59.8 55,60.2 D12.2 ; 50.8,55.6 49.8,55.6
  Bottom w1: SW12.2 53.75,55.6 v1(53.8,55.55)
Net-(D13-Pad2): length 12.8
  Bottom w0.25: 50.8,38.6 49.8,38.6 ; v1(53.7,38.6) 54.5,39.4 54.5,42.85 55,43.35 D13.2
  Bottom w1: SW13.2 v1(53.7,38.6)
Net-(D14-Pad2): length 12.9
  Bottom w0.25: v1(53.85,21.6) 54.6,22.35 54.6,25.75 55,26.15 D14.2 ; 50.8,21.6 49.8,21.6
  Bottom w1: SW14.2 v1(53.85,21.6)
Net-(D15-Pad2): length 12.9
  Bottom w0.25: D15.2 73,7.3 72.6,6.9 72.6,3.4 v1(71.8,2.6) ; 68.8,2.6 67.8,2.6
  Bottom w1: SW15.2 v1(71.8,2.6)
Net-(D16-Pad2): length 12.8
  Bottom w0.25: v1(71.65,72.6) 72.5,73.45 72.5,76.95 73,77.45 D16.2 ; 68.8,72.6 67.8,72.6
  Bottom w1: SW16.2 v1(71.65,72.6)
Net-(D17-Pad2): length 10.8
  Bottom w0.25: D17.2 73,60.15 72.55,59.7 72.55,56.55 v1(71.6,55.6) ; 68.8,55.6 67.8,55.6
  Bottom w1: SW17.2 v1(71.6,55.6)
Net-(D18-Pad2): length 12.8
  Bottom w0.25: v1(71.65,38.6) 72.45,39.4 72.45,42.95 73,43.5 D18.2 ; 68.8,38.6 67.8,38.6
  Bottom w1: SW18.2 v1(71.65,38.6)
Net-(D19-Pad2): length 12.8
  Bottom w0.25: 68.8,21.6 67.8,21.6 ; D19.2 73,26.35 72.55,25.9 72.55,22.45 v1(71.7,21.6)
  Bottom w1: SW19.2 v1(71.7,21.6)
Net-(D20-Pad2): length 11.9
  Bottom w0.25: D20.2 91,7.15 90.65,6.8 90.65,3.45 v1(89.8,2.6) ; 86.8,2.6 85.8,2.6
  Bottom w1: SW20.2 v1(89.8,2.6)
Net-(D21-Pad2): length 12.8
  Bottom w0.25: 86.8,72.6 85.8,72.6 ; D21.2 91,77.35 90.5,76.85 90.5,73.5 v1(89.6,72.6)
  Bottom w1: SW21.2 v1(89.6,72.6)
Net-(D22-Pad2): length 12.8
  Bottom w0.25: v1(89.65,55.6) 90.45,56.4 90.45,59.7 91,60.25 D22.2 ; 86.8,55.6 85.8,55.6
  Bottom w1: SW22.2 v1(89.65,55.6)
Net-(D23-Pad2): length 12.8
  Bottom w0.25: D23.2 91,43.3 90.55,42.85 90.55,39.45 v1(89.7,38.6) ; 86.8,38.6 85.8,38.6
  Bottom w1: SW23.2 v1(89.7,38.6)
Net-(D24-Pad2): length 12.8
  Bottom w0.25: 86.8,21.6 85.8,21.6 ; v1(89.7,21.6) 90.65,22.55 90.65,25.9 91,26.25 D24.2
  Bottom w1: SW24.2 v1(89.7,21.6)
Net-(D25-Pad2): length 12.8
  Bottom w0.25: 104.8,2.6 103.8,2.6 ; v1(107.7,2.6) 108.65,3.55 108.65,6.95 109,7.3 D25.2
  Bottom w1: SW25.2 v1(107.7,2.6)
Net-(D26-Pad2): length 12.9
  Bottom w0.25: 104.8,72.6 103.8,72.6 ; v1(107.85,72.6) 109,73.75 D26.2
  Bottom w1: SW26.2 v1(107.85,72.6)
Net-(D27-Pad2): length 12.8
  Bottom w0.25: v1(107.75,55.6) 109,56.85 D27.2 ; 104.8,55.6 103.8,55.6
  Bottom w1: SW27.2 v1(107.75,55.6)
Net-(D28-Pad2): length 14.1
  Bottom w0.25: D28.2 109,39.95 v1(107.65,38.6) 108.55,39.5 ; 104.8,38.6 103.8,38.6
  Bottom w1: SW28.2 v1(107.65,38.6)
Net-(D29-Pad2): length 12.8
  Bottom w0.25: v1(107.7,21.6) 109,22.9 D29.2 ; 104.8,21.6 103.8,21.6
  Bottom w1: SW29.2 v1(107.7,21.6)
Net-(D30-Pad2): length 17.1
  Bottom w0.25: D30.2 119,14.25 122.55,10.7 v1(122.55,5.55)
  Bottom w1: SW30.2 v1(122.55,5.55)
Net-(D31-Pad2): length 20.1
  Bottom w0.25: D31.2 152.03,80.72 153.15,81.85 156.55,81.85 158.55,79.85 v1(158.55,75.5)
  Bottom w1: SW31.2 v1(158.55,75.5)
Net-(D32-Pad2): length 20.3
  Bottom w0.25: v1(158.55,58.85) 158.55,63 156.55,65 153.3,65 152.03,63.73 D32.2
  Bottom w1: SW32.2 v1(158.55,58.85)
Net-(D33-Pad2): length 20.5
  Bottom w0.25: v1(158.55,41.6) 158.55,46.1 156.45,48.2 153.5,48.2 152.03,46.72 D33.2
  Bottom w1: SW33.2 v1(158.55,41.6)
Net-(D34-Pad2): length 20.4
  Bottom w0.25: v1(158.55,24.35) 158.55,28.85 156.15,31.25 153.45,31.25 151.93,29.72 D34.2
  Bottom w1: SW34.2 v1(158.55,24.35)
Net-(D35-Pad2): length 17.1
  Bottom w0.25: D35.2 137,14.15 140.55,10.6 v1(140.55,5.5)
  Bottom w1: SW35.2 v1(140.55,5.5)
Net-(D36-Pad2): length 20.3
  Bottom w0.25: D36.2 170.22,80.72 171.55,82.05 174.4,82.05 176.55,79.9 v1(176.55,75.45)
  Bottom w1: SW36.2 v1(176.55,75.45)
Net-(D37-Pad2): length 20.2
  Bottom w0.25: D37.2 169.97,63.73 171.25,65 174.3,65 176.6,62.7 v1(176.6,58.55)
  Bottom w1: v1(176.6,58.55) 176.55,58.5 SW37.2
Net-(D38-Pad2): length 20.3
  Bottom w0.25: v1(176.55,41.45) 176.55,46 174.55,48 171.45,48 170.18,46.72 D38.2
  Bottom w1: SW38.2 v1(176.55,41.45)
Net-(D39-Pad2): length 20.4
  Bottom w0.25: D39.2 170.32,29.72 171.7,31.1 174.55,31.1 176.55,29.1 v1(176.55,24.45)
  Bottom w1: SW39.2 v1(176.55,24.45)
Net-(D40-Pad2): length 20.1
  Bottom w0.25: v1(158.55,5.3) 158.55,9.6 156.15,12 152.35,12 151.07,10.72 D40.2
  Bottom w1: SW40.2 v1(158.55,5.3)
Net-(D41-Pad2): length 20.4
  Bottom w0.25: v1(194.55,75.6) 194.55,79.95 192.4,82.1 188.95,82.1 187.57,80.72 D41.2
  Bottom w1: SW41.2 v1(194.55,75.6)
Net-(D42-Pad2): length 22.1
  Bottom w0.25: D42.2 183,62.62 184.22,63.85 187.2,63.85 188.75,65.4 192.3,65.4 194.55,63.15 v1(194.55,58.55)
  Bottom w1: SW42.2 v1(194.55,58.55)
Net-(D43-Pad2): length 20.2
  Bottom w0.25: D43.2 187.82,46.72 189.1,48 192.45,48 194.55,45.9 v1(194.55,41.45)
  Bottom w1: SW43.2 v1(194.55,41.45)
Net-(D44-Pad2): length 20.6
  Bottom w0.25: v1(194.55,24.55) 194.55,29.2 192.55,31.2 189.45,31.2 187.97,29.72 D44.2
  Bottom w1: SW44.2 v1(194.55,24.55)
Net-(D45-Pad2): length 21.2
  Bottom w0.25: v1(176.55,5.35) 176.55,10.6 175.05,12.1 168.55,12.1 166.18,9.72 D45.2
  Bottom w1: SW45.2 v1(176.55,5.35)
Net-(D46-Pad2): length 20.5
  Bottom w0.25: v1(212.55,75.4) 212.55,79.85 210.1,82.3 207,82.3 205.43,80.72 D46.2
  Bottom w1: SW46.2 v1(212.55,75.4)
Net-(D47-Pad2): length 20.4
  Bottom w0.25: v1(212.55,58.3) 212.55,62.95 210.35,65.15 207.55,65.15 206.12,63.73 D47.2
  Bottom w1: SW47.2 v1(212.55,58.3)
Net-(D48-Pad2): length 20
  Bottom w0.25: v1(212.55,41.45) 212.55,45.7 210.35,47.9 207.2,47.9 206.03,46.72 D48.2
  Bottom w1: SW48.2 v1(212.55,41.45)
Net-(D49-Pad2): length 20.4
  Bottom w0.25: D49.2 206.32,29.72 207.7,31.1 210.5,31.1 212.55,29.05 v1(212.55,24.6)
  Bottom w1: SW49.2 v1(212.55,24.6)
Net-(D50-Pad2): length 20.2
  Bottom w0.25: D50.2 187.38,10.72 188.65,12 192.4,12 194.55,9.85 v1(194.55,5.45)
  Bottom w1: SW50.2 v1(194.55,5.45)
Net-(D51-Pad2): length 20.8
  Bottom w0.25: v1(230.55,75.45) 230.55,80.15 228.2,82.5 225.9,82.5 224.12,80.72 D51.2
  Bottom w1: SW51.2 v1(230.55,75.45)
Net-(D52-Pad2): length 20.3
  Bottom w0.25: v1(230.55,58.6) 230.55,62.95 228.5,65 225.55,65 224.28,63.73 D52.2
  Bottom w1: SW52.2 v1(230.55,58.6)
Net-(D53-Pad2): length 20.2
  Bottom w0.25: v1(230.55,41.5) 230.55,45.9 228.55,47.9 225.05,47.9 223.88,46.72 D53.2
  Bottom w1: SW53.2 v1(230.55,41.5)
Net-(D54-Pad2): length 20.6
  Bottom w0.25: v1(230.55,24.3) 230.55,29.15 228.45,31.25 225.25,31.25 223.72,29.72 D54.2
  Bottom w1: SW54.2 v1(230.55,24.3)
Net-(D55-Pad2): length 20.9
  Bottom w0.25: D55.2 202.43,9.72 203.5,10.8 206.95,10.8 208.1,11.95 210.95,11.95 212.55,10.35 v1(212.55,5.7)
  Bottom w1: SW55.2 v1(212.55,5.7)
Net-(D56-Pad2): length 23.7
  Bottom w0.25: v1(250.55,75.35) 250.55,80.85 248.8,82.6 244.9,82.6 242.5,80.2 238.2,80.2 237.73,79.72 D56.2
  Bottom w1: SW56.2 v1(250.55,75.35)
Net-(D57-Pad2): length 23.4
  Bottom w0.25: D57.2 238.68,61.72 240.6,63.65 243.65,63.65 245.25,65.25 248.35,65.25 250.5,63.1 v1(250.5,58.75)
  Bottom w1: SW57.2 250.55,58.7 v1(250.5,58.75)
Net-(D58-Pad2): length 22.7
  Bottom w0.25: v1(250.55,41.8) 250.55,46.1 248.2,48.45 245.35,48.45 243.62,46.72 D58.2
  Bottom w1: SW58.2 v1(250.55,41.8)
Net-(D59-Pad2): length 22.3
  Bottom w0.25: v1(250.55,24.7) 250.55,28.85 248.25,31.15 243.8,31.15 242.38,29.72 D59.2
  Bottom w1: SW59.2 v1(250.55,24.7)
Net-(D60-Pad2): length 20.9
  Bottom w0.25: v1(230.55,5.5) 230.55,10.45 228.6,12.4 225,12.4 223.32,10.72 D60.2
  Bottom w1: SW60.2 v1(230.55,5.5)
Net-(D61-Pad1): length 119.1
  Top w0.5: v1(141.75,33.7) 143.61,33.7 146.08,36.16 146.08,47.84 142.3,51.61 142.3,62.6 145.3,65.6 145.3,83.9 144.2,85 141,85 138.69,82.69 v1(129,82.69)
  Bottom w0.5: 121.22,82.69 124.81,82.69 ; 121.22,82.69 v1(129,82.69) ; 121.22,82.69 121.01,82.9 116.35,82.9 115.4,81.95 SW62.2 ; D62.1 138.32,30.28 v1(141.75,33.7) ; D62.1 137.22,30.5 ; D62.1 136.03,30.28 132.2,26.45 123.8,26.45 119.97,30.28 D61.1

## Copper pours and planes (outline as drawn; the poured copper is in the pictures)
(no net) on Top: 256,0.85 256,87 0,87 0,0.85 0.9,0 255.2,0
(no net) on Bottom: 256,0.85 256,87 0,87 0,0.85 0.9,0 255.2,0

## Text on the board
B.SilkS: v2.0 | PCB Design by @Salicylic_acid3 | BLE | Back Side
F.SilkS: Row0 | ▲ / USB | v2.0 | On | + to the top, / - to the bottom. | Front Side | Non-Soldered Side
